# KiCad board poly_kb_molecule_16x5.kicad_pcb (continued)
## Routing (per net, layer and track width the routed paths; a pad name or vN(x,y) marks a point on that pad's centre or on a via; arc(x,y) is an arc through that point) (continued)
/Keyboard/sheet605ED2EB/SCLK: length 3086.8
  Top w0.254: J4#55.8 168.13,79.72 165.72,77.32 158.11,77.32 156.91,78.51 156.06,78.51 155.24,79.33 154.06,79.33 153.67,79.72 ; J4#69.8 225.28,3.53 222.87,1.12 215.26,1.12 214.06,2.31 213.21,2.31 212.39,3.13 211.21,3.13 210.82,3.53 ; v1(225.63,23.91) 225.99,23.91 227.33,22.57 ; 208.28,79.72 206.94,81.06 v1(206.58,81.06) ; v1(225.63,4.86) 225.99,4.86 227.33,3.53 ; v1(16.08,4.86) 16.44,4.86 17.78,3.53 ; J4#42.8 53.83,60.67 51.42,58.27 43.81,58.27 42.61,59.46 41.76,59.46 40.94,60.28 39.76,60.28 39.37,60.67 ; J4#19.8 301.48,79.72 299.07,77.32 291.46,77.32 290.26,78.51 289.41,78.51 288.59,79.33 287.41,79.33 287.02,79.72 ; J4#15.8 206.23,3.53 203.82,1.12 196.21,1.12 195.01,2.31 194.16,2.31 193.34,3.13 192.16,3.13 191.77,3.53 ; 265.43,79.72 264.09,81.06 v1(263.73,81.06) ; 17.78,41.62 16.44,42.96 v1(16.08,42.96) ; 170.18,41.62 168.84,42.96 v1(168.48,42.96) ; J4#72.8 15.73,60.67 13.32,58.27 5.71,58.27 4.51,59.46 3.66,59.46 2.84,60.28 1.66,60.28 1.27,60.67 ; v1(130.38,62.01) 130.74,62.01 132.08,60.67 ; J4#47.8 91.93,22.57 89.52,20.17 81.91,20.17 80.71,21.36 79.86,21.36 79.04,22.18 77.86,22.18 77.47,22.57 ; 113.03,60.67 111.69,62.01 v1(111.33,62.01) ; 58.42,60.67 58.81,60.28 59.99,60.28 60.81,59.46 61.66,59.46 62.86,58.27 70.47,58.27 72.88,60.67 J4#11.8 ; v1(206.58,62.01) 206.94,62.01 208.28,60.67 ; v1(225.63,42.96) 225.99,42.96 227.33,41.62 ; 265.43,60.67 264.09,62.01 v1(263.73,62.01) ; 1.27,79.72 1.66,79.33 2.84,79.33 3.66,78.51 4.51,78.51 5.71,77.32 13.32,77.32 15.73,79.72 J4.8 ; 36.83,3.53 35.49,4.86 v1(35.13,4.86) ; 287.02,41.62 287.41,41.23 288.59,41.23 289.41,40.41 290.26,40.41 291.46,39.22 299.07,39.22 301.48,41.62 J4#2.8 ; 208.28,3.53 206.94,4.86 v1(206.58,4.86) ; 58.42,22.57 58.81,22.18 59.99,22.18 60.81,21.36 61.66,21.36 62.86,20.17 70.47,20.17 72.88,22.57 J4#56.8 ; J4#29.8 34.78,60.67 32.37,58.27 24.76,58.27 23.56,59.46 22.71,59.46 21.89,60.28 20.71,60.28 20.32,60.67 ; 77.47,60.67 77.86,60.28 79.04,60.28 79.86,59.46 80.71,59.46 81.91,58.27 89.52,58.27 91.93,60.67 J4#57.8 ; 1.27,22.57 1.66,22.18 2.84,22.18 3.66,21.36 4.51,21.36 5.71,20.17 13.32,20.17 15.73,22.57 J4#70.8 ; 227.33,60.67 225.99,62.01 v1(225.63,62.01) ; 74.93,41.62 73.59,42.96 v1(73.23,42.96) ; 39.37,3.53 39.76,3.13 40.94,3.13 41.76,2.31 42.61,2.31 43.81,1.12 51.42,1.12 53.83,3.53 J4#73.8 ; 93.98,79.72 92.64,81.06 v1(92.28,81.06) ; 227.33,79.72 225.99,81.06 v1(225.63,81.06) ; J4#45.8 130.03,79.72 127.62,77.32 120.01,77.32 118.81,78.51 117.96,78.51 117.14,79.33 115.96,79.33 115.57,79.72 ; v1(263.73,4.86) 264.09,4.86 265.43,3.53 ; J4#63.8 91.93,41.62 89.52,39.22 81.91,39.22 80.71,40.41 79.86,40.41 79.04,41.23 77.86,41.23 77.47,41.62 ; v1(282.78,62.01) 283.14,62.01 284.48,60.67 ; v1(73.23,4.86) 73.59,4.86 74.93,3.53 ; 265.43,22.57 264.09,23.91 v1(263.73,23.91) ; 189.23,41.62 187.89,42.96 v1(187.53,42.96) ; J4#67.8 34.78,22.57 32.37,20.17 24.76,20.17 23.56,21.36 22.71,21.36 21.89,22.18 20.71,22.18 20.32,22.57 ; 170.18,3.53 168.84,4.86 v1(168.48,4.86) ; 151.13,60.67 149.79,62.01 v1(149.43,62.01) ; J4#33.8 110.98,41.62 108.57,39.22 100.96,39.22 99.76,40.41 98.91,40.41 98.09,41.23 96.91,41.23 96.52,41.62 ; J4#79.8 34.78,79.72 32.37,77.32 24.76,77.32 23.56,78.51 22.71,78.51 21.89,79.33 20.71,79.33 20.32,79.72 ; J4#27.8 282.43,79.72 280.02,77.32 272.41,77.32 271.21,78.51 270.36,78.51 269.54,79.33 268.36,79.33 267.97,79.72 ; 303.53,79.72 302.19,81.06 v1(301.83,81.06) ; v1(149.43,23.91) 149.79,23.91 151.13,22.57 ; 113.03,3.53 111.69,4.86 v1(111.33,4.86) ; 115.57,60.67 115.96,60.28 117.14,60.28 117.96,59.46 118.81,59.46 120.01,58.27 127.62,58.27 130.03,60.67 J4#20.8 ; v1(206.58,42.96) 206.94,42.96 208.28,41.62 ; J4#54.8 244.33,60.67 241.92,58.27 234.31,58.27 233.11,59.46 232.26,59.46 231.44,60.28 230.26,60.28 229.87,60.67 ; 287.02,3.53 287.41,3.13 288.59,3.13 289.41,2.31 290.26,2.31 291.46,1.12 299.07,1.12 301.48,3.53 J4#31.8 ; 191.77,79.72 192.16,79.33 193.34,79.33 194.16,78.51 195.01,78.51 196.21,77.32 203.82,77.32 206.23,79.72 J4#49.8 ; 172.72,41.62 173.11,41.23 174.29,41.23 175.11,40.41 175.96,40.41 177.16,39.22 184.77,39.22 187.18,41.62 J4#7.8 ; 96.52,79.72 96.91,79.33 98.09,79.33 98.91,78.51 99.76,78.51 100.96,77.32 108.57,77.32 110.98,79.72 J4#34.8 ; 287.02,22.57 287.41,22.18 288.59,22.18 289.41,21.36 290.26,21.36 291.46,20.17 299.07,20.17 301.48,22.57 J4#75.8 ; 246.38,60.67 245.04,62.01 v1(244.68,62.01) ; 17.78,60.67 16.44,62.01 v1(16.08,62.01) ; 55.88,22.57 54.54,23.91 v1(54.18,23.91) ; J4#44.8 110.98,3.53 108.57,1.12 100.96,1.12 99.76,2.31 98.91,2.31 98.09,3.13 96.91,3.13 96.52,3.53 ; J4#62.8 187.18,3.53 184.77,1.12 177.16,1.12 175.96,2.31 175.11,2.31 174.29,3.13 173.11,3.13 172.72,3.53 ; v1(301.83,23.91) 302.19,23.91 303.53,22.57 ; 58.42,79.72 58.81,79.33 59.99,79.33 60.81,78.51 61.66,78.51 62.86,77.32 70.47,77.32 72.88,79.72 J4#26.8 ; J4#9.8 206.23,60.67 203.82,58.27 196.21,58.27 195.01,59.46 194.16,59.46 193.34,60.28 192.16,60.28 191.77,60.67 ; 284.48,79.72 283.14,81.06 v1(282.78,81.06) ; J4#51.8 263.38,3.53 260.97,1.12 253.36,1.12 252.16,2.31 251.31,2.31 250.49,3.13 249.31,3.13 248.92,3.53 ; J4#14.8 149.08,60.67 146.67,58.27 139.06,58.27 137.86,59.46 137.01,59.46 136.19,60.28 135.01,60.28 134.62,60.67 ; v1(301.83,42.96) 302.19,42.96 303.53,41.62 ; J4#38.8 244.33,3.53 241.92,1.12 234.31,1.12 233.11,2.31 232.26,2.31 231.44,3.13 230.26,3.13 229.87,3.53 ; J4#8.8 53.83,41.62 51.42,39.22 43.81,39.22 42.61,40.41 41.76,40.41 40.94,41.23 39.76,41.23 39.37,41.62 ; v1(73.23,62.01) 73.59,62.01 74.93,60.67 ; 77.47,79.72 77.86,79.33 79.04,79.33 79.86,78.51 80.71,78.51 81.91,77.32 89.52,77.32 91.93,79.72 J4#30.8 ; v1(54.18,4.86) 54.54,4.86 55.88,3.53 ; 284.48,22.57 283.14,23.91 v1(282.78,23.91) ; 1.27,41.62 1.66,41.23 2.84,41.23 3.66,40.41 4.51,40.41 5.71,39.22 13.32,39.22 15.73,41.62 J4#21.8 ; 20.32,41.62 20.71,41.23 21.89,41.23 22.71,40.41 23.56,40.41 24.76,39.22 32.37,39.22 34.78,41.62 J4#52.8 ; 74.93,22.57 73.59,23.91 v1(73.23,23.91) ; 229.87,79.72 230.26,79.33 231.44,79.33 232.26,78.51 233.11,78.51 234.31,77.32 241.92,77.32 244.33,79.72 J4#66.8 ; v1(92.28,62.01) 92.64,62.01 93.98,60.67 ; v1(187.53,81.06) 187.89,81.06 189.23,79.72 ; v1(206.58,23.91) 206.94,23.91 208.28,22.57 ; J4#28.8 168.13,3.53 165.72,1.12 158.11,1.12 156.91,2.31 156.06,2.31 155.24,3.13 154.06,3.13 153.67,3.53 ; v1(130.38,42.96) 130.74,42.96 132.08,41.62 ; J4#23.8 130.03,41.62 127.62,39.22 120.01,39.22 118.81,40.41 117.96,40.41 117.14,41.23 115.96,41.23 115.57,41.62 ; 77.47,3.53 77.86,3.13 79.04,3.13 79.86,2.31 80.71,2.31 81.91,1.12 89.52,1.12 91.93,3.53 J4#22.8 ; v1(187.53,62.01) 187.89,62.01 189.23,60.67 ; J4#36.8 149.08,22.57 146.67,20.17 139.06,20.17 137.86,21.36 137.01,21.36 136.19,22.18 135.01,22.18 134.62,22.57 ; 58.42,3.53 58.81,3.13 59.99,3.13 60.81,2.31 61.66,2.31 62.86,1.12 70.47,1.12 72.88,3.53 J4#25.8 ; 248.92,60.67 249.31,60.28 250.49,60.28 251.31,59.46 252.16,59.46 253.36,58.27 260.97,58.27 263.38,60.67 J4#39.8 ; v1(244.68,4.86) 245.04,4.86 246.38,3.53 ; J4#77.8 149.08,3.53 146.67,1.12 139.06,1.12 137.86,2.31 137.01,2.31 136.19,3.13 135.01,3.13 134.62,3.53 ; J4#60.8 263.38,79.72 260.97,77.32 253.36,77.32 252.16,78.51 251.31,78.51 250.49,79.33 249.31,79.33 248.92,79.72 ; v1(301.83,4.86) 302.19,4.86 303.53,3.53 ; 113.03,41.62 111.69,42.96 v1(111.33,42.96) ; 170.18,60.67 168.84,62.01 v1(168.48,62.01) ; 132.08,22.57 130.74,23.91 v1(130.38,23.91) ; v1(187.53,4.86) 187.89,4.86 189.23,3.53 ; J4#48.8 72.88,41.62 70.47,39.22 62.86,39.22 61.66,40.41 60.81,40.41 59.99,41.23 58.81,41.23 58.42,41.62 ; v1(149.43,81.06) 149.79,81.06 151.13,79.72 ; v1(35.13,81.06) 35.49,81.06 36.83,79.72 ; 153.67,41.62 154.06,41.23 155.24,41.23 156.06,40.41 156.91,40.41 158.11,39.22 165.72,39.22 168.13,41.62 J4#3.8 ; J4#17.8 15.73,3.53 13.32,1.12 5.71,1.12 4.51,2.31 3.66,2.31 2.84,3.13 1.66,3.13 1.27,3.53 ; 267.97,41.62 268.36,41.23 269.54,41.23 270.36,40.41 271.21,40.41 272.41,39.22 280.02,39.22 282.43,41.62 J4#71.8 ; J4#59.8 225.28,79.72 222.87,77.32 215.26,77.32 214.06,78.51 213.21,78.51 212.39,79.33 211.21,79.33 210.82,79.72 ; J4#32.8 263.38,22.57 260.97,20.17 253.36,20.17 252.16,21.36 251.31,21.36 250.49,22.18 249.31,22.18 248.92,22.57 ; 55.88,79.72 54.54,81.06 v1(54.18,81.06) ; 189.23,22.57 187.89,23.91 v1(187.53,23.91) ; 151.13,3.53 149.79,4.86 v1(149.43,4.86) ; J4#16.8 110.98,60.67 108.57,58.27 100.96,58.27 99.76,59.46 98.91,59.46 98.09,60.28 96.91,60.28 96.52,60.67 ; 210.82,41.62 211.21,41.23 212.39,41.23 213.21,40.41 214.06,40.41 215.26,39.22 222.87,39.22 225.28,41.62 J4#24.8 ; 132.08,3.53 130.74,4.86 v1(130.38,4.86) ; 153.67,60.67 154.06,60.28 155.24,60.28 156.06,59.46 156.91,59.46 158.11,58.27 165.72,58.27 168.13,60.67 J4#78.8 ; 284.48,3.53 283.14,4.86 v1(282.78,4.86) ; 210.82,22.57 211.21,22.18 212.39,22.18 213.21,21.36 214.06,21.36 215.26,20.17 222.87,20.17 225.28,22.57 J4#13.8 ; 39.37,22.57 39.76,22.18 40.94,22.18 41.76,21.36 42.61,21.36 43.81,20.17 51.42,20.17 53.83,22.57 J4#76.8 ; 303.53,60.67 302.19,62.01 v1(301.83,62.01) ; J4#10.8 110.98,22.57 108.57,20.17 100.96,20.17 99.76,21.36 98.91,21.36 98.09,22.18 96.91,22.18 96.52,22.57 ; 132.08,79.72 130.74,81.06 v1(130.38,81.06) ; 246.38,41.62 245.04,42.96 v1(244.68,42.96) ; J4#64.8 282.43,22.57 280.02,20.17 272.41,20.17 271.21,21.36 270.36,21.36 269.54,22.18 268.36,22.18 267.97,22.57 ; J4#4.8 225.28,60.67 222.87,58.27 215.26,58.27 214.06,59.46 213.21,59.46 212.39,60.28 211.21,60.28 210.82,60.67 ; v1(16.08,81.06) 16.44,81.06 17.78,79.72 ; v1(35.13,62.01) 35.49,62.01 36.83,60.67 ; 172.72,22.57 173.11,22.18 174.29,22.18 175.11,21.36 175.96,21.36 177.16,20.17 184.77,20.17 187.18,22.57 J4#65.8 ; 134.62,79.72 135.01,79.33 136.19,79.33 137.01,78.51 137.86,78.51 139.06,77.32 146.67,77.32 149.08,79.72 J4#58.8 ; J4#6.8 244.33,41.62 241.92,39.22 234.31,39.22 233.11,40.41 232.26,40.41 231.44,41.23 230.26,41.23 229.87,41.62 ; v1(35.13,23.91) 35.49,23.91 36.83,22.57 ; v1(16.08,23.91) 16.44,23.91 17.78,22.57 ; 113.03,79.72 111.69,81.06 v1(111.33,81.06) ; v1(244.68,23.91) 245.04,23.91 246.38,22.57 ; 39.37,79.72 39.76,79.33 40.94,79.33 41.76,78.51 42.61,78.51 43.81,77.32 51.42,77.32 53.83,79.72 J4#53.8 ; J4#35.8 206.23,22.57 203.82,20.17 196.21,20.17 195.01,21.36 194.16,21.36 193.34,22.18 192.16,22.18 191.77,22.57 ; 36.83,41.62 35.49,42.96 v1(35.13,42.96) ; J4#68.8 168.13,22.57 165.72,20.17 158.11,20.17 156.91,21.36 156.06,21.36 155.24,22.18 154.06,22.18 153.67,22.57 ; v1(149.43,42.96) 149.79,42.96 151.13,41.62 ; J4#46.8 187.18,60.67 184.77,58.27 177.16,58.27 175.96,59.46 175.11,59.46 174.29,60.28 173.11,60.28 172.72,60.67 ; 134.62,41.62 135.01,41.23 136.19,41.23 137.01,40.41 137.86,40.41 139.06,39.22 146.67,39.22 149.08,41.62 J4#61.8 ; J4#12.8 130.03,3.53 127.62,1.12 120.01,1.12 118.81,2.31 117.96,2.31 117.14,3.13 115.96,3.13 115.57,3.53 ; v1(73.23,81.06) 73.59,81.06 74.93,79.72 ; 229.87,22.57 230.26,22.18 231.44,22.18 232.26,21.36 233.11,21.36 234.31,20.17 241.92,20.17 244.33,22.57 J4#74.8 ; 267.97,3.53 268.36,3.13 269.54,3.13 270.36,2.31 271.21,2.31 272.41,1.12 280.02,1.12 282.43,3.53 J4#41.8 ; v1(111.33,23.91) 111.69,23.91 113.03,22.57 ; J4#18.8 263.38,41.62 260.97,39.22 253.36,39.22 252.16,40.41 251.31,40.41 250.49,41.23 249.31,41.23 248.92,41.62 ; v1(168.48,81.06) 168.84,81.06 170.18,79.72 ; v1(168.48,23.91) 168.84,23.91 170.18,22.57 ; 191.77,41.62 192.16,41.23 193.34,41.23 194.16,40.41 195.01,40.41 196.21,39.22 203.82,39.22 206.23,41.62 J4#50.8 ; v1(92.28,4.86) 92.64,4.86 93.98,3.53 ; v1(54.18,62.01) 54.54,62.01 55.88,60.67 ; 287.02,60.67 287.41,60.28 288.59,60.28 289.41,59.46 290.26,59.46 291.46,58.27 299.07,58.27 301.48,60.67 J4#80.8 ; v1(92.28,23.91) 92.64,23.91 93.98,22.57 ; v1(54.18,42.96) 54.54,42.96 55.88,41.62 ; 172.72,79.72 173.11,79.33 174.29,79.33 175.11,78.51 175.96,78.51 177.16,77.32 184.77,77.32 187.18,79.72 J4#43.8 ; 284.48,41.62 283.14,42.96 v1(282.78,42.96) ; v1(263.73,42.96) 264.09,42.96 265.43,41.62 ; J4#40.8 34.78,3.53 32.37,1.12 24.76,1.12 23.56,2.31 22.71,2.31 21.89,3.13 20.71,3.13 20.32,3.53 ; v1(244.68,81.06) 245.04,81.06 246.38,79.72 ; 115.57,22.57 115.96,22.18 117.14,22.18 117.96,21.36 118.81,21.36 120.01,20.17 127.62,20.17 130.03,22.57 J4#5.8 ; J4#37.8 282.43,60.67 280.02,58.27 272.41,58.27 271.21,59.46 270.36,59.46 269.54,60.28 268.36,60.28 267.97,60.67 ; 93.98,41.62 92.64,42.96 v1(92.28,42.96)
  Top w1.5: J4#62.8 J3#16.8 ; J3#51.8 J4#45.8 ; J4#65.8 J3#63.8 ; J4#60.8 J3#15.8 ; J4#21.8 J3#6.8 ; J4#72.8 J3#30.8 ; J3#62.8 J4#27.8 ; J4#6.8 J3#80.8 ; J3#41.8 J4#20.8 ; J4#33.8 J3#7.8 ; J4#46.8 J3#76.8 ; J4#24.8 J3#56.8 ; J4#17.8 J3#50.8 ; J3#21.8 J4#42.8 ; J4#68.8 J3#35.8 ; J4#59.8 J3#13.8 ; J3#52.8 J4#73.8 ; J3#46.8 J4#8.8 ; J4#34.8 J3#65.8 ; J4#29.8 J3#59.8 ; J3#38.8 J4#69.8 ; J4#26.8 J3#32.8 ; J4#39.8 J3#60.8 ; J4#7.8 J3#24.8 ; J3#18.8 J4#41.8 ; J3#33.8 J4#71.8 ; J3#45.8 J4#53.8 ; J3#14.8 J4#35.8 ; J3#4.8 J4#64.8 ; J3#78.8 J4#76.8 ; J4#78.8 J3#26.8 ; J4#79.8 J3#77.8 ; J4#77.8 J3#71.8 ; J4#52.8 J3#22.8 ; J4#74.8 J3#48.8 ; J4#40.8 J3#9.8 ; J4#13.8 J3#44.8 ; J3#11.8 J4#5.8 ; J4#48.8 J3#79.8 ; J3#75.8 J4#37.8 ; J3#54.8 J4#15.8 ; J4#3.8 J3#36.8 ; J4#28.8 J3#3.8 ; J4#70.8 J3#28.8 ; J4#55.8 J3#68.8 ; J4#36.8 J3#8.8 ; J3#70.8 J4#49.8 ; J4#58.8 J3#23.8 ; J4#66.8 J3#61.8 ; J4#11.8 J3#27.8 ; J4#51.8 J3#10.8 ; J4#22.8 J3#67.8 ; J4#44.8 J3#25.8 ; J4#57.8 J3#74.8 ; J3#64.8 J4#61.8 ; J4#32.8 J3#37.8 ; J4#30.8 J3#73.8 ; J3#47.8 J4#50.8 ; J4#14.8 J3#43.8 ; J3#39.8 J4#9.8 ; J4#47.8 J3#42.8 ; J4#16.8 J3#2.8 ; J4.8 J3#40.8 ; J3#66.8 J4#12.8 ; J4#18.8 J3#34.8 ; J4#63.8 J3#55.8 ; J4#43.8 J3#53.8 ; J4#10.8 J3#49.8 ; J4#4.8 J3#19.8 ; J3#17.8 J4#25.8 ; J4#56.8 J3#12.8 ; J4#67.8 J3#58.8 ; J4#54.8 J3#72.8 ; J4#38.8 J3#5.8 ; J3#69.8 J4#23.8
  Bottom w0.254: J1#71.13 87.97,73.12 88.34,73.48 90.04,73.48 90.95,72.57 90.95,72.57 91.08,72.44 91.08,69.22 90.95,69.09 90.95,66.98 92.04,65.89 92.04,64.64 91.78,64.38 91.78,63.45 91.81,63.41 91.81,62.64 92.28,62.18 v1(92.28,62.01) ; J1#28.13 145.12,73.12 145.49,73.48 147.19,73.48 148.1,72.57 148.1,72.57 148.23,72.44 148.23,69.22 148.1,69.09 148.1,66.98 149.19,65.89 149.19,64.64 148.93,64.38 148.93,63.45 148.96,63.41 148.96,62.64 149.43,62.18 v1(149.43,62.01) ; J1#7.13 11.77,35.02 12.14,35.38 13.84,35.38 14.75,34.47 14.75,34.47 14.88,34.34 14.88,31.12 14.75,30.99 14.75,28.88 15.84,27.79 15.84,26.54 15.58,26.28 15.58,25.35 15.61,25.31 15.61,24.54 16.08,24.08 v1(16.08,23.91) ; J1#19.13 183.22,35.02 183.59,35.38 185.29,35.38 186.2,34.47 186.2,34.47 186.33,34.34 186.33,31.12 186.2,30.99 186.2,28.88 187.29,27.79 187.29,26.54 187.03,26.28 187.03,25.35 187.06,25.31 187.06,24.54 187.53,24.08 v1(187.53,23.91) ; J1#29.13 278.48,92.17 278.84,92.53 280.54,92.53 281.45,91.62 281.45,91.62 281.58,91.49 281.58,88.27 281.45,88.14 281.45,86.03 282.54,84.94 282.54,83.69 282.28,83.43 282.28,82.5 282.31,82.46 282.31,81.69 282.78,81.23 v1(282.78,81.06) ; J1#59.13 107.03,15.97 107.39,16.33 109.09,16.33 110,15.42 110,15.42 110.13,15.29 110.13,12.07 110,11.94 110,9.83 111.09,8.74 111.09,7.49 110.83,7.23 110.83,6.3 110.86,6.26 110.86,5.49 111.33,5.03 v1(111.33,4.86) ; J1#48.13 240.38,54.07 240.74,54.43 242.44,54.43 243.35,53.52 243.35,53.52 243.48,53.39 243.48,50.17 243.35,50.04 243.35,47.93 244.44,46.84 244.44,45.59 244.18,45.33 244.18,44.4 244.21,44.36 244.21,43.59 244.68,43.13 v1(244.68,42.96) ; v1(263.73,81.06) 263.73,81.23 263.26,81.69 263.26,82.46 263.23,82.5 263.23,83.43 263.49,83.69 263.49,84.94 262.4,86.03 262.4,88.14 262.53,88.27 262.53,91.49 262.4,91.62 262.4,91.62 261.49,92.53 259.79,92.53 259.43,92.17 J1#54.13 ; J1#36.13 126.07,54.07 126.44,54.43 128.14,54.43 129.05,53.52 129.05,53.52 129.18,53.39 129.18,50.17 129.05,50.04 129.05,47.93 130.14,46.84 130.14,45.59 129.88,45.33 129.88,44.4 129.91,44.36 129.91,43.59 130.38,43.13 v1(130.38,42.96) ; J1#30.13 164.18,73.12 164.54,73.48 166.24,73.48 167.15,72.57 167.15,72.57 167.28,72.44 167.28,69.22 167.15,69.09 167.15,66.98 168.24,65.89 168.24,64.64 167.98,64.38 167.98,63.45 168.01,63.41 168.01,62.64 168.48,62.18 v1(168.48,62.01) ; J1#16.13 164.18,35.02 164.54,35.38 166.24,35.38 167.15,34.47 167.15,34.47 167.28,34.34 167.28,31.12 167.15,30.99 167.15,28.88 168.24,27.79 168.24,26.54 167.98,26.28 167.98,25.35 168.01,25.31 168.01,24.54 168.48,24.08 v1(168.48,23.91) ; J1#58.13 30.83,73.12 31.19,73.48 32.89,73.48 33.8,72.57 33.8,72.57 33.93,72.44 33.93,69.22 33.8,69.09 33.8,66.98 34.89,65.89 34.89,64.64 34.63,64.38 34.63,63.45 34.66,63.41 34.66,62.64 35.13,62.18 v1(35.13,62.01) ; J1#4.13 68.92,35.02 69.29,35.38 70.99,35.38 71.9,34.47 71.9,34.47 72.03,34.34 72.03,31.12 71.9,30.99 71.9,28.88 72.99,27.79 72.99,26.54 72.73,26.28 72.73,25.35 72.76,25.31 72.76,24.54 73.23,24.08 v1(73.23,23.91) ; v1(225.63,42.96) 225.63,43.13 225.16,43.59 225.16,44.36 225.13,44.4 225.13,45.33 225.39,45.59 225.39,46.84 224.3,47.93 224.3,50.04 224.43,50.17 224.43,53.39 224.3,53.52 224.3,53.52 223.39,54.43 221.69,54.43 221.32,54.07 J1#40.13 ; v1(263.73,42.96) 263.73,43.13 263.26,43.59 263.26,44.36 263.23,44.4 263.23,45.33 263.49,45.59 263.49,46.84 262.4,47.93 262.4,50.04 262.53,50.17 262.53,53.39 262.4,53.52 262.4,53.52 261.49,54.43 259.79,54.43 259.43,54.07 J1#66.13 ; J1#77.13 11.77,73.12 12.14,73.48 13.84,73.48 14.75,72.57 14.75,72.57 14.88,72.44 14.88,69.22 14.75,69.09 14.75,66.98 15.84,65.89 15.84,64.64 15.58,64.38 15.58,63.45 15.61,63.41 15.61,62.64 16.08,62.18 v1(16.08,62.01) ; J1#74.13 87.97,35.02 88.34,35.38 90.04,35.38 90.95,34.47 90.95,34.47 91.08,34.34 91.08,31.12 90.95,30.99 90.95,28.88 92.04,27.79 92.04,26.54 91.78,26.28 91.78,25.35 91.81,25.31 91.81,24.54 92.28,24.08 v1(92.28,23.91) ; J1#8.13 107.03,54.07 107.39,54.43 109.09,54.43 110,53.52 110,53.52 110.13,53.39 110.13,50.17 110,50.04 110,47.93 111.09,46.84 111.09,45.59 110.83,45.33 110.83,44.4 110.86,44.36 110.86,43.59 111.33,43.13 v1(111.33,42.96) ; J1#50.13 221.32,35.02 221.69,35.38 223.39,35.38 224.3,34.47 224.3,34.47 224.43,34.34 224.43,31.12 224.3,30.99 224.3,28.88 225.39,27.79 225.39,26.54 225.13,26.28 225.13,25.35 225.16,25.31 225.16,24.54 225.63,24.08 v1(225.63,23.91) ; v1(301.83,42.96) 301.83,43.13 301.36,43.59 301.36,44.36 301.33,44.4 301.33,45.33 301.59,45.59 301.59,46.84 300.5,47.93 300.5,50.04 300.63,50.17 300.63,53.39 300.5,53.52 300.5,53.52 299.59,54.43 297.89,54.43 297.52,54.07 J1#45.13 ; J1#15.13 145.12,54.07 145.49,54.43 147.19,54.43 148.1,53.52 148.1,53.52 148.23,53.39 148.23,50.17 148.1,50.04 148.1,47.93 149.19,46.84 149.19,45.59 148.93,45.33 148.93,44.4 148.96,44.36 148.96,43.59 149.43,43.13 v1(149.43,42.96) ; v1(282.78,42.96) 282.78,43.13 282.31,43.59 282.31,44.36 282.28,44.4 282.28,45.33 282.54,45.59 282.54,46.84 281.45,47.93 281.45,50.04 281.58,50.17 281.58,53.39 281.45,53.52 281.45,53.52 280.54,54.43 278.84,54.43 278.48,54.07 J1#78.13 ; J1#21.13 221.32,15.97 221.69,16.33 223.39,16.33 224.3,15.42 224.3,15.42 224.43,15.29 224.43,12.07 224.3,11.94 224.3,9.83 225.39,8.74 225.39,7.49 225.13,7.23 225.13,6.3 225.16,6.26 225.16,5.49 225.63,5.03 v1(225.63,4.86) ; J1#13.13 49.88,92.17 50.24,92.53 51.94,92.53 52.85,91.62 52.85,91.62 52.98,91.49 52.98,88.27 52.85,88.14 52.85,86.03 53.94,84.94 53.94,83.69 53.68,83.43 53.68,82.5 53.71,82.46 53.71,81.69 54.18,81.23 v1(54.18,81.06) ; J1#76.13 107.03,92.17 107.39,92.53 109.09,92.53 110,91.62 110,91.62 110.13,91.49 110.13,88.27 110,88.14 110,86.03 111.09,84.94 111.09,83.69 110.83,83.43 110.83,82.5 110.86,82.46 110.86,81.69 111.33,81.23 v1(111.33,81.06) ; J1#42.13 183.22,15.97 183.59,16.33 185.29,16.33 186.2,15.42 186.2,15.42 186.33,15.29 186.33,12.07 186.2,11.94 186.2,9.83 187.29,8.74 187.29,7.49 187.03,7.23 187.03,6.3 187.06,6.26 187.06,5.49 187.53,5.03 v1(187.53,4.86) ; J1#51.13 87.97,15.97 88.34,16.33 90.04,16.33 90.95,15.42 90.95,15.42 91.08,15.29 91.08,12.07 90.95,11.94 90.95,9.83 92.04,8.74 92.04,7.49 91.78,7.23 91.78,6.3 91.81,6.26 91.81,5.49 92.28,5.03 v1(92.28,4.86) ; J1#17.13 49.88,54.07 50.24,54.43 51.94,54.43 52.85,53.52 52.85,53.52 52.98,53.39 52.98,50.17 52.85,50.04 52.85,47.93 53.94,46.84 53.94,45.59 53.68,45.33 53.68,44.4 53.71,44.36 53.71,43.59 54.18,43.13 v1(54.18,42.96) ; v1(244.68,23.91) 244.68,24.08 244.21,24.54 244.21,25.31 244.18,25.35 244.18,26.28 244.44,26.54 244.44,27.79 243.35,28.88 243.35,30.99 243.48,31.12 243.48,34.34 243.35,34.47 243.35,34.47 242.44,35.38 240.74,35.38 240.38,35.02 J1#60.13 ; v1(35.13,23.91) 35.13,24.08 34.66,24.54 34.66,25.31 34.63,25.35 34.63,26.28 34.89,26.54 34.89,27.79 33.8,28.88 33.8,30.99 33.93,31.12 33.93,34.34 33.8,34.47 33.8,34.47 32.89,35.38 31.19,35.38 30.83,35.02 J1#3.13 ; v1(206.58,42.96) 206.58,43.13 206.11,43.59 206.11,44.36 206.08,44.4 206.08,45.33 206.34,45.59 206.34,46.84 205.25,47.93 205.25,50.04 205.38,50.17 205.38,53.39 205.25,53.52 205.25,53.52 204.34,54.43 202.64,54.43 202.28,54.07 J1#64.13 ; v1(282.78,4.86) 282.78,5.03 282.31,5.49 282.31,6.26 282.28,6.3 282.28,7.23 282.54,7.49 282.54,8.74 281.45,9.83 281.45,11.94 281.58,12.07 281.58,15.29 281.45,15.42 281.45,15.42 280.54,16.33 278.84,16.33 278.48,15.97 J1#24.13 ; J1#49.13 297.52,35.02 297.89,35.38 299.59,35.38 300.5,34.47 300.5,34.47 300.63,34.34 300.63,31.12 300.5,30.99 300.5,28.88 301.59,27.79 301.59,26.54 301.33,26.28 301.33,25.35 301.36,25.31 301.36,24.54 301.83,24.08 v1(301.83,23.91) ; J1#39.13 240.38,73.12 240.74,73.48 242.44,73.48 243.35,72.57 243.35,72.57 243.48,72.44 243.48,69.22 243.35,69.09 243.35,66.98 244.44,65.89 244.44,64.64 244.18,64.38 244.18,63.45 244.21,63.41 244.21,62.64 244.68,62.18 v1(244.68,62.01) ; J1#47.13 30.83,92.17 31.19,92.53 32.89,92.53 33.8,91.62 33.8,91.62 33.93,91.49 33.93,88.27 33.8,88.14 33.8,86.03 34.89,84.94 34.89,83.69 34.63,83.43 34.63,82.5 34.66,82.46 34.66,81.69 35.13,81.23 v1(35.13,81.06) ; v1(73.23,42.96) 73.23,43.13 72.76,43.59 72.76,44.36 72.73,44.4 72.73,45.33 72.99,45.59 72.99,46.84 71.9,47.93 71.9,50.04 72.03,50.17 72.03,53.39 71.9,53.52 71.9,53.52 70.99,54.43 69.29,54.43 68.92,54.07 J1#70.13 ; J1#32.13 259.43,35.02 259.79,35.38 261.49,35.38 262.4,34.47 262.4,34.47 262.53,34.34 262.53,31.12 262.4,30.99 262.4,28.88 263.49,27.79 263.49,26.54 263.23,26.28 263.23,25.35 263.26,25.31 263.26,24.54 263.73,24.08 v1(263.73,23.91) ; v1(244.68,81.06) 244.68,81.23 244.21,81.69 244.21,82.46 244.18,82.5 244.18,83.43 244.44,83.69 244.44,84.94 243.35,86.03 243.35,88.14 243.48,88.27 243.48,91.49 243.35,91.62 243.35,91.62 242.44,92.53 240.74,92.53 240.38,92.17 J1#61.13 ; J1#9.13 259.43,73.12 259.79,73.48 261.49,73.48 262.4,72.57 262.4,72.57 262.53,72.44 262.53,69.22 262.4,69.09 262.4,66.98 263.49,65.89 263.49,64.64 263.23,64.38 263.23,63.45 263.26,63.41 263.26,62.64 263.73,62.18 v1(263.73,62.01) ; J1#6.13 126.07,35.02 126.44,35.38 128.14,35.38 129.05,34.47 129.05,34.47 129.18,34.34 129.18,31.12 129.05,30.99 129.05,28.88 130.14,27.79 130.14,26.54 129.88,26.28 129.88,25.35 129.91,25.31 129.91,24.54 130.38,24.08 v1(130.38,23.91) ; J1#69.13 49.88,35.02 50.24,35.38 51.94,35.38 52.85,34.47 52.85,34.47 52.98,34.34 52.98,31.12 52.85,30.99 52.85,28.88 53.94,27.79 53.94,26.54 53.68,26.28 53.68,25.35 53.71,25.31 53.71,24.54 54.18,24.08 v1(54.18,23.91) ; v1(282.78,23.91) 282.78,24.08 282.31,24.54 282.31,25.31 282.28,25.35 282.28,26.28 282.54,26.54 282.54,27.79 281.45,28.88 281.45,30.99 281.58,31.12 281.58,34.34 281.45,34.47 281.45,34.47 280.54,35.38 278.84,35.38 278.48,35.02 J1#2.13 ; v1(206.58,23.91) 206.58,24.08 206.11,24.54 206.11,25.31 206.08,25.35 206.08,26.28 206.34,26.54 206.34,27.79 205.25,28.88 205.25,30.99 205.38,31.12 205.38,34.34 205.25,34.47 205.25,34.47 204.34,35.38 202.64,35.38 202.28,35.02 J1#26.13 ; J1#65.13 68.92,73.12 69.29,73.48 70.99,73.48 71.9,72.57 71.9,72.57 72.03,72.44 72.03,69.22 71.9,69.09 71.9,66.98 72.99,65.89 72.99,64.64 72.73,64.38 72.73,63.45 72.76,63.41 72.76,62.64 73.23,62.18 v1(73.23,62.01) ; J1#79.13 297.52,92.17 297.89,92.53 299.59,92.53 300.5,91.62 300.5,91.62 300.63,91.49 300.63,88.27 300.5,88.14 300.5,86.03 301.59,84.94 301.59,83.69 301.33,83.43 301.33,82.5 301.36,82.46 301.36,81.69 301.83,81.23 v1(301.83,81.06) ; J1#56.13 145.12,35.02 145.49,35.38 147.19,35.38 148.1,34.47 148.1,34.47 148.23,34.34 148.23,31.12 148.1,30.99 148.1,28.88 149.19,27.79 149.19,26.54 148.93,26.28 148.93,25.35 148.96,25.31 148.96,24.54 149.43,24.08 v1(149.43,23.91) ; J1#44.13 297.52,15.97 297.89,16.33 299.59,16.33 300.5,15.42 300.5,15.42 300.63,15.29 300.63,12.07 300.5,11.94 300.5,9.83 301.59,8.74 301.59,7.49 301.33,7.23 301.33,6.3 301.36,6.26 301.36,5.49 301.83,5.03 v1(301.83,4.86) ; v1(130.38,4.86) 130.38,5.03 129.91,5.49 129.91,6.26 129.88,6.3 129.88,7.23 130.14,7.49 130.14,8.74 129.05,9.83 129.05,11.94 129.18,12.07 129.18,15.29 129.05,15.42 129.05,15.42 128.14,16.33 126.44,16.33 126.07,15.97 J1#11.13 ; v1(111.33,23.91) 111.33,24.08 110.86,24.54 110.86,25.31 110.83,25.35 110.83,26.28 111.09,26.54 111.09,27.79 110,28.88 110,30.99 110.13,31.12 110.13,34.34 110,34.47 110,34.47 109.09,35.38 107.39,35.38 107.03,35.02 J1#80.13 ; J1#55.13 49.88,15.97 50.24,16.33 51.94,16.33 52.85,15.42 52.85,15.42 52.98,15.29 52.98,12.07 52.85,11.94 52.85,9.83 53.94,8.74 53.94,7.49 53.68,7.23 53.68,6.3 53.71,6.26 53.71,5.49 54.18,5.03 v1(54.18,4.86) ; J1#72.13 221.32,73.12 221.69,73.48 223.39,73.48 224.3,72.57 224.3,72.57 224.43,72.44 224.43,69.22 224.3,69.09 224.3,66.98 225.39,65.89 225.39,64.64 225.13,64.38 225.13,63.45 225.16,63.41 225.16,62.64 225.63,62.18 v1(225.63,62.01) ; J1#27.13 164.18,54.07 164.54,54.43 166.24,54.43 167.15,53.52 167.15,53.52 167.28,53.39 167.28,50.17 167.15,50.04 167.15,47.93 168.24,46.84 168.24,45.59 167.98,45.33 167.98,44.4 168.01,44.36 168.01,43.59 168.48,43.13 v1(168.48,42.96) ; J1#41.13 11.77,15.97 12.14,16.33 13.84,16.33 14.75,15.42 14.75,15.42 14.88,15.29 14.88,12.07 14.75,11.94 14.75,9.83 15.84,8.74 15.84,7.49 15.58,7.23 15.58,6.3 15.61,6.26 15.61,5.49 16.08,5.03 v1(16.08,4.86) ; J1#20.13 30.83,15.97 31.19,16.33 32.89,16.33 33.8,15.42 33.8,15.42 33.93,15.29 33.93,12.07 33.8,11.94 33.8,9.83 34.89,8.74 34.89,7.49 34.63,7.23 34.63,6.3 34.66,6.26 34.66,5.49 35.13,5.03 v1(35.13,4.86) ; v1(92.28,42.96) 92.28,43.13 91.81,43.59 91.81,44.36 91.78,44.4 91.78,45.33 92.04,45.59 92.04,46.84 90.95,47.93 90.95,50.04 91.08,50.17 91.08,53.39 90.95,53.52 90.95,53.52 90.04,54.43 88.34,54.43 87.97,54.07 J1#38.13 ; J1#67.13 183.22,54.07 183.59,54.43 185.29,54.43 186.2,53.52 186.2,53.52 186.33,53.39 186.33,50.17 186.2,50.04 186.2,47.93 187.29,46.84 187.29,45.59 187.03,45.33 187.03,44.4 187.06,44.36 187.06,43.59 187.53,43.13 v1(187.53,42.96) ; v1(54.18,62.01) 54.18,62.18 53.71,62.64 53.71,63.41 53.68,63.45 53.68,64.38 53.94,64.64 53.94,65.89 52.85,66.98 52.85,69.09 52.98,69.22 52.98,72.44 52.85,72.57 52.85,72.57 51.94,73.48 50.24,73.48 49.88,73.12 J1#5.13 ; J1#22.13 87.97,92.17 88.34,92.53 90.04,92.53 90.95,91.62 90.95,91.62 91.08,91.49 91.08,88.27 90.95,88.14 90.95,86.03 92.04,84.94 92.04,83.69 91.78,83.43 91.78,82.5 91.81,82.46 91.81,81.69 92.28,81.23 v1(92.28,81.06) ; J1#31.13 202.28,92.17 202.64,92.53 204.34,92.53 205.25,91.62 205.25,91.62 205.38,91.49 205.38,88.27 205.25,88.14 205.25,86.03 206.34,84.94 206.34,83.69 206.08,83.43 206.08,82.5 206.11,82.46 206.11,81.69 206.58,81.23 v1(206.58,81.06) ; v1(301.83,62.01) 301.83,62.18 301.36,62.64 301.36,63.41 301.33,63.45 301.33,64.38 301.59,64.64 301.59,65.89 300.5,66.98 300.5,69.09 300.63,69.22 300.63,72.44 300.5,72.57 300.5,72.57 299.59,73.48 297.89,73.48 297.52,73.12 J1#52.13 ; v1(244.68,4.86) 244.68,5.03 244.21,5.49 244.21,6.26 244.18,6.3 244.18,7.23 244.44,7.49 244.44,8.74 243.35,9.83 243.35,11.94 243.48,12.07 243.48,15.29 243.35,15.42 243.35,15.42 242.44,16.33 240.74,16.33 240.38,15.97 J1#73.13 ; v1(149.43,81.06) 149.43,81.23 148.96,81.69 148.96,82.46 148.93,82.5 148.93,83.43 149.19,83.69 149.19,84.94 148.1,86.03 148.1,88.14 148.23,88.27 148.23,91.49 148.1,91.62 148.1,91.62 147.19,92.53 145.49,92.53 145.12,92.17 J1#63.13 ; v1(263.73,4.86) 263.73,5.03 263.26,5.49 263.26,6.26 263.23,6.3 263.23,7.23 263.49,7.49 263.49,8.74 262.4,9.83 262.4,11.94 262.53,12.07 262.53,15.29 262.4,15.42 262.4,15.42 261.49,16.33 259.79,16.33 259.43,15.97 J1#46.13 ; J1#75.13 221.32,92.17 221.69,92.53 223.39,92.53 224.3,91.62 224.3,91.62 224.43,91.49 224.43,88.27 224.3,88.14 224.3,86.03 225.39,84.94 225.39,83.69 225.13,83.43 225.13,82.5 225.16,82.46 225.16,81.69 225.63,81.23 v1(225.63,81.06) ; J1#53.13 126.07,92.17 126.44,92.53 128.14,92.53 129.05,91.62 129.05,91.62 129.18,91.49 129.18,88.27 129.05,88.14 129.05,86.03 130.14,84.94 130.14,83.69 129.88,83.43 129.88,82.5 129.91,82.46 129.91,81.69 130.38,81.23 v1(130.38,81.06) ; v1(168.48,81.06) 168.48,81.23 168.01,81.69 168.01,82.46 167.98,82.5 167.98,83.43 168.24,83.69 168.24,84.94 167.15,86.03 167.15,88.14 167.28,88.27 167.28,91.49 167.15,91.62 167.15,91.62 166.24,92.53 164.54,92.53 164.18,92.17 J1#25.13 ; v1(73.23,81.06) 73.23,81.23 72.76,81.69 72.76,82.46 72.73,82.5 72.73,83.43 72.99,83.69 72.99,84.94 71.9,86.03 71.9,88.14 72.03,88.27 72.03,91.49 71.9,91.62 71.9,91.62 70.99,92.53 69.29,92.53 68.92,92.17 J1#35.13 ; v1(35.13,42.96) 35.13,43.13 34.66,43.59 34.66,44.36 34.63,44.4 34.63,45.33 34.89,45.59 34.89,46.84 33.8,47.93 33.8,50.04 33.93,50.17 33.93,53.39 33.8,53.52 33.8,53.52 32.89,54.43 31.19,54.43 30.83,54.07 J1#43.13 ; J1#62.13 183.22,73.12 183.59,73.48 185.29,73.48 186.2,72.57 186.2,72.57 186.33,72.44 186.33,69.22 186.2,69.09 186.2,66.98 187.29,65.89 187.29,64.64 187.03,64.38 187.03,63.45 187.06,63.41 187.06,62.64 187.53,62.18 v1(187.53,62.01) ; v1(16.08,42.96) 16.08,43.13 15.61,43.59 15.61,44.36 15.58,44.4 15.58,45.33 15.84,45.59 15.84,46.84 14.75,47.93 14.75,50.04 14.88,50.17 14.88,53.39 14.75,53.52 14.75,53.52 13.84,54.43 12.14,54.43 11.77,54.07 J1#12.13 ; v1(187.53,81.06) 187.53,81.23 187.06,81.69 187.06,82.46 187.03,82.5 187.03,83.43 187.29,83.69 187.29,84.94 186.2,86.03 186.2,88.14 186.33,88.27 186.33,91.49 186.2,91.62 186.2,91.62 185.29,92.53 183.59,92.53 183.22,92.17 J1#18.13 ; J1#57.13 68.92,15.97 69.29,16.33 70.99,16.33 71.9,15.42 71.9,15.42 72.03,15.29 72.03,12.07 71.9,11.94 71.9,9.83 72.99,8.74 72.99,7.49 72.73,7.23 72.73,6.3 72.76,6.26 72.76,5.49 73.23,5.03 v1(73.23,4.86) ; J1#33.13 107.03,73.12 107.39,73.48 109.09,73.48 110,72.57 110,72.57 110.13,72.44 110.13,69.22 110,69.09 110,66.98 111.09,65.89 111.09,64.64 110.83,64.38 110.83,63.45 110.86,63.41 110.86,62.64 111.33,62.18 v1(111.33,62.01) ; v1(206.58,4.86) 206.58,5.03 206.11,5.49 206.11,6.26 206.08,6.3 206.08,7.23 206.34,7.49 206.34,8.74 205.25,9.83 205.25,11.94 205.38,12.07 205.38,15.29 205.25,15.42 205.25,15.42 204.34,16.33 202.64,16.33 202.28,15.97 J1#10.13 ; J1#34.13 278.48,73.12 278.84,73.48 280.54,73.48 281.45,72.57 281.45,72.57 281.58,72.44 281.58,69.22 281.45,69.09 281.45,66.98 282.54,65.89 282.54,64.64 282.28,64.38 282.28,63.45 282.31,63.41 282.31,62.64 282.78,62.18 v1(282.78,62.01) ; J1#14.13 202.28,73.12 202.64,73.48 204.34,73.48 205.25,72.57 205.25,72.57 205.38,72.44 205.38,69.22 205.25,69.09 205.25,66.98 206.34,65.89 206.34,64.64 206.08,64.38 206.08,63.45 206.11,63.41 206.11,62.64 206.58,62.18 v1(206.58,62.01) ; J1#23.13 145.12,15.97 145.49,16.33 147.19,16.33 148.1,15.42 148.1,15.42 148.23,15.29 148.23,12.07 148.1,11.94 148.1,9.83 149.19,8.74 149.19,7.49 148.93,7.23 148.93,6.3 148.96,6.26 148.96,5.49 149.43,5.03 v1(149.43,4.86) ; v1(168.48,4.86) 168.48,5.03 168.01,5.49 168.01,6.26 167.98,6.3 167.98,7.23 168.24,7.49 168.24,8.74 167.15,9.83 167.15,11.94 167.28,12.07 167.28,15.29 167.15,15.42 167.15,15.42 166.24,16.33 164.54,16.33 164.18,15.97 J1#68.13 ; v1(16.08,81.06) 16.08,81.23 15.61,81.69 15.61,82.46 15.58,82.5 15.58,83.43 15.84,83.69 15.84,84.94 14.75,86.03 14.75,88.14 14.88,88.27 14.88,91.49 14.75,91.62 14.75,91.62 13.84,92.53 12.14,92.53 11.77,92.17 J1.13 ; v1(130.38,62.01) 130.38,62.18 129.91,62.64 129.91,63.41 129.88,63.45 129.88,64.38 130.14,64.64 130.14,65.89 129.05,66.98 129.05,69.09 129.18,69.22 129.18,72.44 129.05,72.57 129.05,72.57 128.14,73.48 126.44,73.48 126.07,73.12 J1#37.13